# Altium PCB BMS_Slave-X+Y.PcbDoc (part 2 of 3)
Units mil, origin at the board's own origin, x right, y up, seen from the top; angles counter-clockwise.
Board outline 10980 x 2910 mil, 2 copper layers (Top Layer, Bottom Layer); 344 components, 227 nets, 912 pads, 532 vias.
Unrouted connection lines stored in the file: 1.
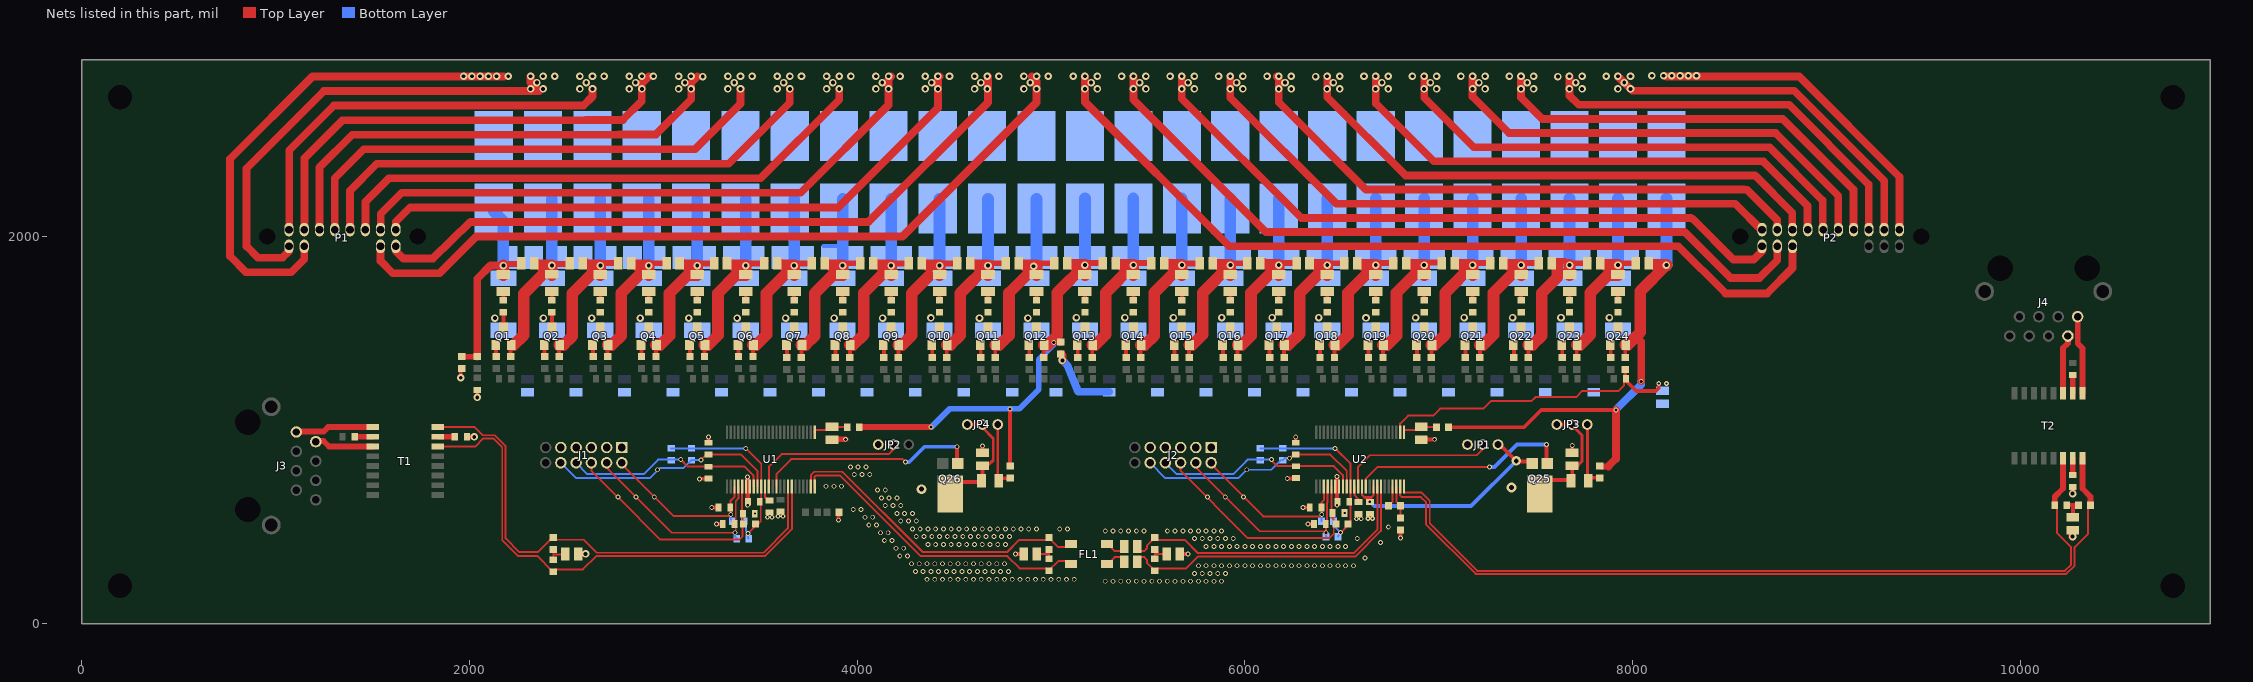
[diagram p2: the nets of this part, all layers, seen from the top]

## Via types
v1: diameter 25, hole 16, Top Layer to Bottom Layer, tented both sides, 246 vias
v2: diameter 39, hole 20, Top Layer to Bottom Layer, tented both sides, 183 vias
v3: diameter 25, hole 12, Top Layer to Bottom Layer, tented both sides, 62 vias
v4: diameter 39, hole 20, Top Layer to Bottom Layer, tented bottom, 25 vias
v5: diameter 25, hole 16, Top Layer to Bottom Layer, tented bottom, 12 vias
v6: diameter 50, hole 25, Top Layer to Bottom Layer, tented bottom, 4 vias

## Nets (pads, with @x,y where several pads share a name; then routed paths per layer and width w, separated by ;. In a path a pad name is that pad's centre, name@x,y a point inside that pad or via, vN(x,y) a via of type N, cw(c..) or ccw(c..) an arc to the next point about the centre after c; other vN are vias at no path point) (continued)
C24: C48.1 C101.1 R49.1 U2.2 | length 1599.1
  Top Layer w10: U2.2@6801.1,988.43 6801.1,1032.91 6842.64,1074.45 6970.72,1074.45 7006.99,1110.72 7230.72,1110.72 7270,1150 7479.38,1150 7499.38,1170 7709.8,1170 7741.3,1201.5 7927.92,1201.5 7955,1228.57 7955,1256.26 C101.1@7962.4,1263.66
  Top Layer w20: R49.1@7962.4,1314.16 7962.4,1263.66 7962.4,1258.16 8019.07,1201.5 8119.5,1201.5 8135,1217 v3(8135,1240)
  other v3: 8175,1240
CELL0: C1.2 D1.2 D48.1 F1.2 R1.2 R50.2 R76.2 | length 1104
  Top Layer w30: R50.2@1960,1377.81 1960.35,1378.16 R1.2@2040,1378.16 ; v2(2175,1848.66) 2195,1848.66 2203.6,1857.26 2255.6,1857.26 C1.2@2272,1873.66
  Top Layer w40: R1.2@2040,1378.16 2040,1780 2108.66,1848.66 v2(2175,1848.66)
  Top Layer w60: D48.1@2175,1798.03 v2(2175,1848.66)
  Bottom Layer w60: F1.2@2125,2128.54 2175,2078.54 v2(2175,1848.66)
CELL1: C1.1 C2.2 D1.1 D2.2 D47.1 F2.2 Q1.2 R3.2 R77.2 | length 1176.8
  Top Layer w20: R3.2@2212.4,1378.16 Q1.2@2212.4,1438.39
  Top Layer w30: C1.1@2328,1873.66 2343.82,1873.66 2368.82,1848.66 ; v2@2425,1848.66 2427.44,1848.66 2436.03,1857.26 2505.6,1857.26 C2.2@2522,1873.66
  Top Layer w40: Q1.2@2212.4,1438.39 Q1.2@2228.72,1438.39 ; D47.1@2425,1798.19 D47.1@2425.16,1798.03
  Top Layer w60: Q1.2@2228.72,1438.39 2279,1488.66 2279,1702.66 v2@2425,1848.66 ; 2368.82,1848.66 v2@2425,1848.66 ; D47.1@2425,1798.19 v2@2425,1848.66
  Bottom Layer w60: D2.2@2425,1848.66 F2.2@2425,2191.97
  other v2: 2425.24,1848.9
CELL2: C2.1 C3.2 D2.1 D3.2 D46.1 F3.2 Q2.2 R5.2 R78.2 | length 1180.3
  Top Layer w20: R5.2@2462.64,1378.4 2462.64,1438.39 Q2.2@2462.64,1438.62
  Top Layer w30: C2.1@2578,1873.66 2600,1873.66 2625,1848.66 ; v2(2675,1848.66) 2677.44,1848.66 2690.47,1861.7 2760.04,1861.7 C3.2@2772,1873.66
  Top Layer w60: Q2.2@2462.4,1438.39 2462.64,1438.39 2484.72,1438.39 2531,1484.66 2531,1704.66 v2(2675,1848.66) ; 2625,1848.66 v2(2675,1848.66) ; D46.1@2675,1798.03 v2(2675,1848.66)
  Bottom Layer w60: v2(2675,1848.66) F3.2@2675,2191.97
CELL3: C3.1 C4.2 D3.1 D4.2 D45.1 F4.2 Q3.2 R7.2 R79.2 | length 1187.4
  Top Layer w20: R7.2@2712.4,1378.16 Q3.2@2712.4,1438.39
  Top Layer w30: C3.1@2828,1873.66 2840,1873.66 2865,1848.66 ; v2(2925,1848.66) 2927.44,1848.66 2938.77,1860 3008.34,1860 C4.2@3022,1873.66
  Top Layer w60: Q3.2@2712.4,1438.39 2734.85,1438.39 2783,1486.53 2783,1706.66 v2(2925,1848.66) ; 2865,1848.66 v2(2925,1848.66) ; D45.1@2925,1798.03 v2(2925,1848.66)
  Bottom Layer w20: D4.2@2925,1948.66 2920,1948.66 2925,1953.66
  Bottom Layer w60: v2(2925,1848.66) D4.2@2925,1948.66 ; 2925,1953.66 F4.2@2925,2191.97
CELL4: C4.1 C5.2 D4.1 D5.2 D44.1 F5.2 Q4.2 R9.2 R80.2 | length 1154.4
  Top Layer w20: R9.2@2962.4,1378.16 Q4.2@2962.4,1438.39
  Top Layer w30: C4.1@3078,1873.66 3095,1873.66 3120,1848.66 ; v2(3175,1848.66) 3177.44,1848.66 3188.69,1859.91 3253.25,1859.91 C5.2@3267,1873.66
  Top Layer w60: Q4.2@2962.4,1438.39 2984.85,1438.39 3032,1485.53 3032,1705.66 3124.37,1798.03 3175,1798.03 v2(3175,1848.66) 3120,1848.66
  Bottom Layer w60: v2(3175,1848.66) F5.2@3175,2191.97
CELL5: C5.1 C6.2 D5.1 D6.2 D43.1 F6.2 Q5.2 R11.2 R81.2 | length 1167.6
  Top Layer w20: R11.2@3212.4,1378.16 Q5.2@3212.4,1438.39
  Top Layer w30: C5.1@3323,1873.66 3339.06,1873.66 3364.06,1848.66 ; v2(3425,1848.66) 3427.44,1848.66 3438.69,1859.91 3513.25,1859.91 C6.2@3527,1873.66
  Top Layer w60: Q5.2@3212.4,1438.39 3231.85,1438.39 3282,1488.53 3282,1705.66 3374.37,1798.03 3425,1798.03 v2(3425,1848.66) 3364.06,1848.66
  Bottom Layer w60: v2(3425,1848.66) F6.2@3425,2191.97
CELL6: C6.1 C7.2 D6.1 D7.2 D42.1 F7.2 Q6.2 R13.2 R82.2 | length 1103.3
  Top Layer w20: R13.2@3462.4,1378.16 Q6.2@3462.4,1438.39
  Top Layer w30: C6.1@3583,1873.66 3600,1873.66 3625,1848.66 ; v2@3677.44,1848.66 3688.69,1859.91 3758.25,1859.91 C7.2@3772,1873.66
  Top Layer w60: Q6.2@3462.4,1438.39 3478.72,1438.39 3532,1491.66 3532,1705.66 3630,1803.66 ; 3625,1848.66 v2@3672.56,1848.66 ; D42.1@3675,1798.03 v2(3675,1848.66)
  Bottom Layer w60: v2(3675,1848.66) F7.2@3675,2191.97
CELL7: C7.1 C8.2 D7.1 D8.2 D41.1 F8.2 Q7.2 R15.2 R83.2 | length 1264
  Top Layer w20: R15.2@3712.4,1373.16 Q7.2@3712.4,1438.39
  Top Layer w30: C7.1@3828,1873.66 3840,1873.66 3865,1848.66 ; v2(3925,1848.66) 3927.44,1848.66 3938.77,1860 4008.34,1860 C8.2@4022,1873.66
  Top Layer w60: Q7.2@3712.4,1438.39 3733.72,1438.39 3782,1486.66 3782,1705.66 3874.37,1798.03 3925,1798.03 v2(3925,1848.66) 3865,1848.66
  Bottom Layer w20: D7.1@3824.69,1948.66 3925,1948.66
  Bottom Layer w60: v2(3925,1848.66) 3925,1948.66 F8.2@3925,2191.97
CELL8: C8.1 C9.2 D8.1 D9.2 D40.1 F9.2 Q8.2 R17.2 R84.2 | length 1110.1
  Top Layer w20: R17.2@3962.4,1373.16 Q8.2@3962.4,1438.39
  Top Layer w30: C8.1@4078,1873.66 4095,1873.66 4120,1848.66 ; v2(4175,1848.66) 4177.44,1848.66 4188.69,1859.91 4258.25,1859.91 C9.2@4272,1873.66
  Top Layer w60: Q8.2@3962.4,1438.39 3979.85,1438.39 4033,1491.53 4033,1706.66 4123.82,1797.48 ; 4120,1848.66 v2(4175,1848.66) D40.1@4175,1798.03
  Bottom Layer w60: v2(4175,1848.66) F9.2@4175,2191.97
CELL9: C9.1 C10.2 D9.1 D10.2 D39.1 F10.2 Q9.2 R19.2 R85.2 | length 1105.7
  Top Layer w20: R19.2@4212.4,1373.16 Q9.2@4212.4,1438.39
  Top Layer w30: C9.1@4328,1873.66 4340,1873.66 4365,1848.66 ; v2(4425,1848.66) 4427.44,1848.66 4438.69,1859.91 4508.25,1859.91 C10.2@4522,1873.66
  Top Layer w60: Q9.2@4212.4,1438.39 4231.72,1438.39 4282,1488.66 4282,1705.66 4370,1793.66 ; 4365,1848.66 v2(4425,1848.66) D39.1@4425,1798.03
  Bottom Layer w60: v2(4425,1848.66) F10.2@4425,2191.97
CELL10: C10.1 C11.2 D10.1 D11.2 D38.1 F11.2 Q10.2 R21.2 R86.2 | length 1183.5
  Top Layer w20: R21.2@4462.4,1373.16 Q10.2@4462.4,1438.39
  Top Layer w30: C10.1@4578,1873.66 4595,1873.66 4620,1848.66 ; v2(4675,1848.66) 4677.44,1848.66 4688.77,1860 4758.34,1860 C11.2@4772,1873.66
  Top Layer w60: Q10.2@4462.4,1438.39 4481.72,1438.39 4532,1488.66 4532,1705.66 v2(4675,1848.66) ; 4620,1848.66 v2(4675,1848.66) ; D38.1@4675,1798.03 v2(4675,1848.66)
  Bottom Layer w60: v2(4675,1848.66) F11.2@4675,2191.97
CELL11: C11.1 C12.2 D11.1 D12.2 D37.1 F12.2 Q11.2 R23.2 R87.2 | length 1184.7
  Top Layer w20: R23.2@4712.4,1373.16 Q11.2@4712.4,1438.39
  Top Layer w30: C11.1@4828,1873.66 4840,1873.66 4865,1848.66 ; v2@4925,1848.66 4927.44,1848.66 4938.77,1860 5008.34,1860 C12.2@5022,1873.66
  Top Layer w60: Q11.2@4712.4,1438.39 4733.72,1438.39 4783,1487.66 4783,1706.66 v2@4925,1848.66 ; 4865,1848.66 v2@4925,1848.66 ; D37.1@4925,1798.03 v2@4925,1848.66
  Bottom Layer w60: v2@4925,1848.66 F12.2@4925,2191.97
  other v2: 4910,1845
CELL12: C12.1 C13.2 D12.1 D13.2 D36.1 F13.2 Q12.2 R25.2 R63.2 R88.2 R101.2 R122.2 | length 2807.2
  Top Layer w20: v1(4788,1109) 4788,815.16 R122.2@4790,813.16 ; R25.2@4962.4,1373.16 R25.2@4962.4,1374.66 Q12.2@4962.4,1438.39
  Top Layer w30: R101.2@4009.27,1014.67 4009.75,1015.16 4009.91,1015 v1(4380,1015) ; C12.1@5078,1873.66 5095,1873.66 5117.5,1851.16 ; v2(5175,1851.16) 5177.44,1851.16 5188.69,1862.41 5260.75,1862.41 C13.2@5272,1873.66
  Top Layer w40: 5023.33,1478.33 5048.5,1453.16 R63.2@5050,1453.16
  Top Layer w60: Q12.2@4962.4,1438.39 Q12.2@4964.9,1438.39 4983.39,1438.39 5023.33,1478.33 5033,1488 5033,1709.16 v2(5175,1851.16) ; 5117.5,1851.16 v2(5175,1851.16) ; D36.1@5175,1798.03 v2(5175,1851.16)
  Bottom Layer w30: v1(4380,1015) 4382.34,1015 4477,1109.66 v1@4790,1109.66 ; v1(4788,1109) 4788.66,1109 4789,1108.66 v1@4790,1109.66 ; v1(5014,1452) 5014,1441 4937,1364 4937,1208.66 4838,1109.66 v1@4790,1109.66
  Bottom Layer w60: v2(5175,1851.16) F13.2@5175,2142.98 F13.2@5175,2194.47
CELL13: C13.1 C14.2 D13.1 D14.2 D35.1 F14.2 Q13.2 R27.2 R89.2 | length 1184.7
  Top Layer w20: R27.2@5212.4,1373.16 Q13.2@5212.4,1438.39
  Top Layer w30: C13.1@5328,1873.66 5340,1873.66 5362.5,1851.16 ; v2(5425,1851.16) 5427.44,1851.16 5437.97,1861.7 5510.04,1861.7 C14.2@5522,1873.66
  Top Layer w60: Q13.2@5212.4,1438.39 5228.72,1438.39 5283,1492.66 5283,1709.16 v2(5425,1851.16) ; 5362.5,1851.16 v2(5425,1851.16) ; D35.1@5425,1798.03 v2(5425,1851.16)
  Bottom Layer w60: v2(5425,1851.16) 5425,2128.54 F14.2@5425,2194.47
CELL14: C14.1 C15.2 D14.1 D15.2 D34.1 F15.2 Q14.2 R29.2 R90.2 | length 1187.6
  Top Layer w20: R29.2@5462.4,1373.16 Q14.2@5462.4,1438.39
  Top Layer w30: C14.1@5578,1873.66 5595,1873.66 5617.5,1851.16 ; v2(5675,1851.16) 5677.44,1851.16 5686.19,1859.91 5758.25,1859.91 C15.2@5772,1873.66
  Top Layer w60: Q14.2@5462.4,1438.39 5483.72,1438.39 5532,1486.66 5532,1708.16 v2(5675,1851.16) ; 5617.5,1851.16 v2(5675,1851.16) ; D34.1@5675,1798.03 v2(5675,1851.16)
  Bottom Layer w60: v2(5675,1851.16) 5675,2128.54 F15.2@5675,2194.47
CELL15: C15.1 C16.2 D15.1 D16.2 D33.1 F16.2 Q15.2 R31.2 R91.2 | length 1179.7
  Top Layer w20: R31.2@5712.4,1373.16 Q15.2@5712.4,1438.39
  Top Layer w30: C15.1@5828,1873.66 5845,1873.66 5867.5,1851.16 ; v2(5925,1851.16) 5927.44,1851.16 5936.27,1860 6003.34,1860 C16.2@6017,1873.66
  Top Layer w60: Q15.2@5712.4,1438.39 5728.72,1438.39 5783,1492.66 5783,1709.16 v2(5925,1851.16) ; 5867.5,1851.16 v2(5925,1851.16) ; D33.1@5925,1798.03 v2(5925,1851.16)
  Bottom Layer w60: v2(5925,1851.16) 5925,2128.54 F16.2@5925,2194.47
CELL16: C16.1 C17.2 D16.1 D17.2 D32.1 F17.2 Q16.2 R33.2 R92.2 | length 1192.6
  Top Layer w20: R33.2@5962.4,1373.16 Q16.2@5962.4,1438.39
  Top Layer w30: C16.1@6073,1873.66 6098.82,1873.66 6121.32,1851.16 ; v2(6175,1851.16) 6177.44,1851.16 6187.97,1861.7 6260.04,1861.7 C17.2@6272,1873.66
  Top Layer w60: Q16.2@5962.4,1438.39 5983.72,1438.39 6032,1486.66 6032,1708.16 v2(6175,1851.16) ; 6121.32,1851.16 v2(6175,1851.16) ; D32.1@6175,1798.03 v2(6175,1851.16)
  Bottom Layer w60: v2(6175,1851.16) 6175,2128.54 F17.2@6175,2194.47
CELL17: C17.1 C18.2 D17.1 D18.2 D31.1 F18.2 Q17.2 R35.2 R93.2 | length 1151.5
  Top Layer w20: R35.2@6202.4,1373.16 Q17.2@6202.4,1438.39
  Top Layer w30: C17.1@6328,1873.66 6345.91,1873.66 6368.41,1851.16 ; v2(6425,1851.16) 6427.44,1851.16 6436.27,1860 6505.7,1860 C18.2@6519.36,1873.66
  Top Layer w60: Q17.2@6202.4,1438.39 6223.72,1438.39 6283,1497.66 6283,1709.16 D31.1@6398.36,1824.52 ; 6368.41,1851.16 v2(6425,1851.16) 6425,1798.19 D31.1@6424.84,1798.03
  Bottom Layer w60: v2(6425,1851.16) 6425,2128.54 F18.2@6425,2194.47
CELL18: C18.1 C19.2 D18.1 D19.2 D30.1 F19.2 Q18.2 R37.2 R94.2 | length 1187.9
  Top Layer w20: R37.2@6462.4,1373.16 Q18.2@6462.4,1438.39
  Top Layer w30: C18.1@6575.36,1873.66 6585,1873.66 6607.5,1851.16 ; v2(6675,1851.16) 6677.44,1851.16 6687.97,1861.7 6760.04,1861.7 C19.2@6772,1873.66
  Top Layer w60: Q18.2@6462.4,1438.39 6479.72,1438.39 6532,1490.66 6532,1708.16 v2(6675,1851.16) ; 6607.5,1851.16 v2(6675,1851.16) ; D30.1@6675,1798.03 v2(6675,1851.16)
  Bottom Layer w60: v2(6675,1851.16) 6675,2128.54 F19.2@6675,2194.47
CELL19: C19.1 C20.2 D19.1 D20.2 D29.1 F20.2 Q19.2 R39.2 R95.2 | length 1187.6
  Top Layer w20: R39.2@6712.4,1373.16 Q19.2@6712.4,1438.39
  Top Layer w30: C19.1@6828,1873.66 6845,1873.66 6867.5,1851.16 ; v2(6925,1851.16) 6927.44,1851.16 6941.27,1865 7013.34,1865 C20.2@7022,1873.66
  Top Layer w60: Q19.2@6712.4,1438.39 6733.72,1438.39 6782,1486.66 6782,1708.16 v2(6925,1851.16) ; 6867.5,1851.16 v2(6925,1851.16) ; D29.1@6925,1798.03 v2(6925,1851.16)
  Bottom Layer w60: v2(6925,1851.16) 6925,2128.54 F20.2@6925,2194.47
CELL20: C20.1 C21.2 D20.1 D21.2 D28.1 F21.2 Q20.2 R41.2 R96.2 | length 1185.3
  Top Layer w20: R41.2@6962.4,1373.16 Q20.2@6962.4,1438.39
  Top Layer w30: C20.1@7078,1873.66 7091.34,1873.66 7113.84,1851.16 ; v2(7175,1851.16) 7177.44,1851.16 7187.97,1861.7 7260.04,1861.7 C21.2@7272,1873.66
  Top Layer w60: Q20.2@6962.4,1438.39 6979.72,1438.39 7033,1491.66 7033,1709.16 v2(7175,1851.16) ; 7113.84,1851.16 v2(7175,1851.16) ; D28.1@7175,1798.03 v2(7175,1851.16)
  Bottom Layer w60: v2(7175,1851.16) 7175,2128.54 F21.2@7175,2194.47
CELL21: C21.1 C22.2 D21.1 D22.2 D27.1 F22.2 Q21.2 R43.2 R97.2 | length 1185.3
  Top Layer w20: R43.2@7212.4,1373.16 Q21.2@7212.4,1438.39
  Top Layer w30: C21.1@7328,1873.66 7340,1873.66 7362.5,1851.16 ; v2(7425,1851.16) 7427.44,1851.16 7437.97,1861.7 7510.04,1861.7 C22.2@7522,1873.66
  Top Layer w60: Q21.2@7212.4,1438.39 7229.72,1438.39 7283,1491.66 7283,1709.16 v2(7425,1851.16) ; 7362.5,1851.16 v2(7425,1851.16) ; D27.1@7425,1798.03 v2(7425,1851.16)
  Bottom Layer w60: v2(7425,1851.16) 7425,2128.54 F22.2@7425,2194.47
CELL22: C22.1 C23.2 D22.1 D23.2 D26.1 F23.2 Q22.2 R45.2 R98.2 | length 1161.1
  Top Layer w20: R45.2@7462.4,1373.16 Q22.2@7462.4,1438.39
  Top Layer w30: C22.1@7578,1873.66 7650.06,1873.66 7672.56,1851.16 v2(7675,1851.16) 7677.44,1851.16 7686.27,1860 7758.34,1860 C23.2@7772,1873.66
  Top Layer w60: Q22.2@7462.4,1438.39 7483.72,1438.39 7531,1485.66 7531,1707.16 7610.91,1787.07 7610.91,1851.16 ; D26.1@7675,1798.03 v2(7675,1851.16)
  Bottom Layer w60: v2(7675,1851.16) 7675,2128.54 F23.2@7675,2194.47
CELL23: C23.1 C24.2 D23.1 D24.2 D25.1 F24.2 Q23.2 R47.2 R99.2 | length 1163.3
  Top Layer w20: R47.2@7712.4,1373.16 Q23.2@7712.4,1438.39
  Top Layer w30: C23.1@7828,1873.66 7837.5,1873.66 7860,1851.16 ; v2(7925,1851.16) 7927.44,1851.16 7936.27,1860 8008.34,1860 C24.2@8022,1873.66
  Top Layer w60: Q23.2@7712.4,1438.39 7729.72,1438.39 7782,1490.66 7782,1708.16 7871.87,1798.03 7925,1798.03 v2(7925,1851.16) 7860,1851.16
  Bottom Layer w60: v2(7925,1851.16) 7925,2128.54 F24.2@7925,2194.47
CELL24: C24.1 D24.1 F25.2 Q24.2 R49.2 R100.2 R121.2 | length 2713.1
  Top Layer w20: R100.2@7049.58,1014.67 R100.2@7051.08,1014.67 7439.67,1014.67 7529,1104 v1(7914,1104) ; R49.2@7962.4,1373.16 R49.2@7962.4,1374.66 Q24.2@7962.4,1438.39
  Top Layer w30: R121.2@7842.84,812.37 7875.37,812.37 ; C24.1@8078,1873.66 8095,1873.66 8117.5,1851.16
  Top Layer w40: 7875.37,812.37 7914,851 v1(7914,1104) ; 8023.34,1475.66 8045,1454 v1(8045,1251.38)
  Top Layer w60: Q24.2@7962.4,1438.39 Q24.2@7964.9,1438.39 7974.72,1438.39 8020,1483.66 ; 8023.34,1475.66 8023.34,1487 8040,1503.66 8040,1716.16 v2(8175,1851.16) 8117.5,1851.16
  Bottom Layer w20: 8170,1948.66 8175,1953.66
  Bottom Layer w40: v1(7914,1104) 8045,1235 v1(8045,1251.38)
  Bottom Layer w60: v2(8175,1851.16) 8175,1953.66 F25.2@8175,2142.98 F25.2@8175,2194.47
CELL_UF_0: F1.1 P1.3 | length 2599.1
  Top Layer w40: P1.3@1147.52,1947.48 1147.52,1881.18 1080.37,1814.03 847.3,1814.03 765,1896.34 765,2398.66 1190,2823.66 2097.5,2823.66 2175,2823.66
  other v2: 1970,2825 2012.5,2825 2055,2825 2097.5,2825 2140,2825
  other v4: 2200,2825
CELL_UF_1: F2.1 P1.4 | length 2453.9
  Top Layer w40: P1.4@1068.78,1947.48 1068.78,1922.44 1035,1888.66 908.82,1888.66 850,1947.48 850,2349.88 1248.78,2748.66 2359.4,2748.66 2315,2793.06 v2(2315,2825)
  other v2: 2315,2760 2380,2760 2347.5,2792.5 2380,2825
  other v4: 2440,2825
CELL_UF_2: F3.1 P1.12 | length 2129.6
  Top Layer w40: P1.12@1068.78,2034.09 1070.16,2034.09 1070.16,2443.82 1300,2673.66 2587.73,2673.66 2634.55,2720.47 v2(2634.55,2760)
  other v2: 2569.55,2760 2602.05,2792.5 2569.55,2825 2634.55,2825
  other v4: 2694.55,2825
CELL_UF_3: F4.1 P1.11 | length 2373.2
  Top Layer w40: P1.11@1147.52,2034.09 1148.9,2034.09 1148.9,2402.56 1345,2598.66 2598.66,2598.66 2600,2600 2791.59,2600 2888.86,2697.27 2888.86,2787.52 2925,2823.66
  other v2: 2824.09,2760 2889.09,2760 2856.59,2792.5 2824.09,2825 2889.09,2825
  other v4: 2949.09,2825
CELL_UF_4: F5.1 P1.10 | length 2514.2
  Top Layer w40: P1.10@1226.26,2034.09 1226.26,2354.92 1395,2523.66 2768.66,2523.66 2770,2525 2962.48,2525 3143.41,2705.93 3143.41,2792.07 3175,2823.66
  other v2: 3078.64,2760 3143.64,2760 3111.14,2792.5 3078.64,2825 3143.64,2825
  other v4: 3203.41,2823.66
CELL_UF_5: F6.1 P1.9 | length 2593.8
  Top Layer w40: P1.9@1305,2034.09 1305,2298.66 1455,2448.66 3163.66,2448.66 3398.18,2683.18 v2(3398.18,2760)
  other v2: 3333.18,2760 3365.68,2792.5 3333.18,2825 3398.18,2825
  other v4: 3458.18,2825
CELL_UF_6: F7.1 P1.8 | length 2728.9
  Top Layer w40: P1.8@1383.74,2034.09 1383.74,2234.92 1522.48,2373.66 3337.4,2373.66 3652.73,2688.99 v2(3652.73,2760)
  other v2: 3587.73,2760 3620.23,2792.5 3587.73,2825 3652.73,2825
  other v4: 3712.73,2825
CELL_UF_7: F8.1 P1.7 | length 2861.9
  Top Layer w40: P1.7@1462.48,2034.09 1463.86,2034.09 1463.86,2177.52 1585,2298.66 3501.26,2298.66 3907.27,2704.67 v2(3907.27,2760)
  other v2: 3842.27,2760 3874.77,2792.5 3842.27,2825 3907.27,2825
  other v4: 3967.27,2825
CELL_UF_8: F9.1 P1.6 | length 3085.9
  Top Layer w40: P1.6@1542.6,2034.09 1542.6,2116.3 1649.96,2223.66 3708.66,2223.66 4161.59,2676.59 4161.59,2810.25 v2@4175,2823.66
  other v2: 4096.82,2760 4161.82,2760 4129.32,2792.5 4096.82,2825 4161.82,2825
  other v4: 4221.82,2825
CELL_UF_9: F10.1 P1.5 | length 3245.3
  Top Layer w40: P1.5@1619.96,2034.09 1619.96,2073.62 1695,2148.66 3903.66,2148.66 4416.36,2661.36 v2(4416.36,2760) 4416.36,2815.02 v2@4425,2823.66
  other v2: 4351.36,2760 4383.86,2792.5 4351.36,2825 4416.36,2825
  other v4: 4476.36,2825
CELL_UF_10: F11.1 P1.1 | length 3560.4
  Top Layer w40: P1.1@1619.96,1947.48 1619.96,1923.7 1658.56,1885.1 1811.44,1885.1 2005,2073.66 4058.66,2073.66 4675,2690 v2@4675,2823.66
  other v2: 4605.91,2760 4670.91,2760 4638.41,2792.5 4605.91,2825 4670.91,2825
  other v4: 4730.91,2825
CELL_UF_11: F12.1 P1.2 | length 3994.3
  Top Layer w40: P1.2@1541.22,1947.48 1541.22,1872.44 1605,1808.66 1845,1808.66 2035,1998.66 4233.66,1998.66 4925,2690 4925,2798.66 4900,2823.66
  other v2: 4860.45,2760 4925.45,2760 4892.95,2792.5 4860.45,2825 4925.45,2825
  other v4: 4985.45,2825
CELL_UF_12: F13.1 P2.4 | length 4356.5
  Top Layer w40: v2@5175,2823.66 5175,2692.48 5918.82,1948.66 8236.34,1948.66 8480,1705 8694.55,1705 8825.43,1835.88 P2.4@8825.43,1947.48
  other v2: 5174.55,2760 5239.55,2760 5207.05,2792.5 5174.55,2825 5239.55,2825
  other v4: 5114.55,2825
CELL_UF_13: F14.1 P2.5 | length 3930.2
  Top Layer w40: v2@5425,2823.66 5425,2705 6108.42,2021.58 8268.42,2021.58 8505,1785 8655,1785 8746.69,1876.69 P2.5@8746.69,1947.48
  other v2: 5424.55,2760 5489.55,2760 5457.05,2792.5 5424.55,2825 5489.55,2825
  other v4: 5364.55,2825
CELL_UF_14: F15.1 P2.6 | length 3492.7
  Top Layer w40: v2@5675,2823.66 5675,2710 6290.51,2094.49 8300.51,2094.49 8305,2090 8310,2090 8520,1880 8625,1880 8667.95,1922.95 P2.6@8667.95,1947.48
  other v2: 5674.55,2760 5739.55,2760 5707.05,2792.5 5674.55,2825 5739.55,2825
  other v4: 5614.55,2825
CELL_UF_15: F16.1 P2.16 | length 3135.7
  Top Layer w40: v2@5925,2823.66 5925,2715 6472.59,2167.41 8529.64,2167.41 P2.16@8667.95,2029.09
  other v2: 5924.55,2760 5989.55,2760 5957.05,2792.5 5924.55,2825 5989.55,2825
  other v4: 5864.55,2825
CELL_UF_16: F17.1 P2.15 | length 3015.2
  Top Layer w40: v2@6165,2823.66 6174.55,2814.12 v2(6174.55,2760) 6174.55,2690.45 6624.67,2240.33 8574.67,2240.33 8575,2240 8590.31,2240 8746.69,2083.62 P2.15@8746.69,2034.09 P2.15@8746.69,2029.09
  other v2: 6239.55,2760 6207.05,2792.5 6174.55,2825 6239.55,2825
  other v4: 6114.55,2825
CELL_UF_17: F18.1 P2.14 | length 2844.9
  Top Layer w40: v2@6425,2823.66 6425,2717.5 6829.26,2313.24 8632.07,2313.24 8824.05,2121.26 8824.05,2030.47 P2.14@8825.43,2029.09
  other v2: 6424.55,2760 6489.55,2760 6457.05,2792.5 6424.55,2825 6489.55,2825
  other v4: 6365,2823.66
CELL_UF_18: F19.1 P2.13 | length 2714.7
  Top Layer w40: v2@6675,2823.66 6675,2685 6973.84,2386.16 8668.84,2386.16 8670,2385 8675.31,2385 8902.79,2157.52 8902.79,2029.09 P2.13@8904.17,2029.09
  other v2: 6674.55,2760 6739.55,2760 6707.05,2792.5 6674.55,2825 6739.55,2825
  other v4: 6614.55,2825
CELL_UF_19: F20.1 P2.12 | length 2540.5
  Top Layer w40: v2@6925,2823.66 6925,2715 7180.92,2459.08 8706.24,2459.08 8981.53,2183.78 8981.53,2030.47 P2.12@8982.91,2029.09
  other v2: 6924.55,2760 6989.55,2760 6957.05,2792.5 6924.55,2825 6989.55,2825
  other v4: 6864.55,2825
CELL_UF_20: F21.1 P2.11 | length 2381.7
  Top Layer w40: v2@7175,2823.66 7175,2720 7363.01,2531.99 8738.32,2531.99 9061.65,2208.66 P2.11@9061.65,2034.09 P2.11@9061.65,2029.09
  other v2: 7174.55,2760 7239.55,2760 7207.05,2792.5 7174.55,2825 7239.55,2825
  other v4: 7114.55,2825
CELL_UF_21: F22.1 P2.10 | length 2231.7
  Top Layer w40: v2@7425,2823.66 7425,2715 7535.09,2604.91 8775.4,2604.91 9139.28,2241.03 9139.28,2030.21 P2.10@9140.39,2029.09
  other v2: 7424.55,2760 7489.55,2760 7457.05,2792.5 7424.55,2825 7489.55,2825
  other v4: 7364.55,2825
CELL_UF_22: F23.1 P2.9 | length 2069.9
  Top Layer w40: v2@7675,2823.66 7675,2725 7722.17,2677.83 8807.17,2677.83 8810,2675 8810.31,2675 9219.13,2266.18 P2.9@9219.13,2034.09 P2.9@9219.13,2029.09
  other v2: 7674.55,2760 7739.55,2760 7707.05,2792.5 7674.55,2825 7739.55,2825
  other v4: 7615,2823.66
CELL_UF_23: F24.1 P2.8 | length 1852.7
  Top Layer w40: v2@7925,2823.66 7997.92,2750.74 8833.56,2750.74 9297.87,2286.44 P2.8@9297.87,2034.09 P2.8@9297.87,2029.09
  other v2: 7924.55,2760 7989.55,2760 7957.05,2792.5 7924.55,2825 7989.55,2825
  other v4: 7864.55,2825
CELL_UF_24: F25.1 P2.7 | length 1688.3
  Top Layer w40: v2@8175,2823.66 8859.64,2823.66 9376.61,2306.69 P2.7@9376.61,2034.09
  other v2: 8160,2828 8202.5,2828 8245,2828 8287.5,2828 8330,2828
  other v4: 8100,2828
GNDA: C25.2 C26.2 C27.2 C28.2 C29.2 C30.2 C31.2 C32.2 C33.2 C34.2 C35.2 C36.2 C51.2 C53.2 C55.2 C57.2 C59.2 C61.2 C63.2 C65.2 C66.2 C68.2 C70.2 C74.2 C76.2 C77.2 J1.1 J1.3 J1.5 J1.7 J1.9 JP2.3 R50.1 R118.2 U1.30 U1.31 | length 648.8
  Top Layer w10: U1.30@3426.46,708.9 U1.30@3426.57,709.02 ; v1(3435,757.76) 3435,753.97 v1@3435.68,753.29 ; U1.31@3445.24,709.8 U1.31@3446.14,708.9
  Top Layer w20: v2(1955,1270) 1955,1313.81 R50.1@1960,1318.81 ; v2(2040,1168.84) C77.2@2040,1210.48 ; v1(3187,747.52) 3187.96,748.48 3231.04,748.48 C55.2@3231.51,748.01 ; C55.2@3232,749.5 C55.2@3233,748.5 ; C53.2@3233,935.65 v1(3233,964) ; v1(3250,600) C61.2@3283.5,600 ; v1(3275,515) C59.2@3305.68,515 ; C57.2@3472.4,568.76 v3(3472.71,569.07) ; C66.2@3546.77,573.87 3547.4,574.5 C66.2@3548,574.5 ; C68.2@3603.62,577.87 3604.25,578.5 C68.2@3604.33,578.5 ; v1(3904.5,535) R118.2@3904.5,575 ; C70.2@4646.52,880.16 v1(4646.52,918.66) ; v1(4816,361) C65.2@4860.5,361
  Top Layer w25: C76.2@1986.5,965 v2(2024.64,965) ; C74.2@2561,361 v2(2599.14,361) ; v3(3435,612.79) C63.2@3435,630.66 ; C63.2@3435.68,631.34 v1@3435.68,753.29
  Top Layer w30: C51.2@3870,952.17 v1(3939,952.17)
  other v1: 4360,230 4400,230 4440,230 4480,230 4520,230 4560,230 4600,230 4640,230 4680,230 4720,230 4760,230 4800,230 4840,230 4880,230 4920,230 4960,230 5000,230 5040,230 5080,230 5120,230 4300,270 4340,270 4380,270 4420,270 4460,270 4500,270 4540,270 4580,270 4620,270 4660,270 4700,270 4740,270 4780,270 4280,310 4320,310 4360,310 4400,310 4440,310 4480,310 4520,310 4560,310 4600,310 4640,310 4680,310 4720,310 4760,310 4220,350 4260,350 4200,390 4240,390 4365,410 4405,410 4445,410 4485,410 4525,410 4565,410 4605,410 4645,410 4685,410 4725,410 4765,410 4140,430 4180,430 4305,450 4345,450 4385,450 4425,450 4465,450 4505,450 4545,450 4585,450 4625,450 4665,450 4705,450 4745,450 4785,450 4120,470 4160,470 4285,490 4325,490 4365,490 4405,490 4445,490 4485,490 4525,490 4565,490 4605,490 4645,490 4685,490 4725,490 4765,490 4805,490 4845,490 4885,490 4925,490 5045,490 5085,490 4060,510 4100,510 4225,530 4265,530 4305,530 4040,550 4080,550 4205,570 4245,570 4285,570 3980,590 4020,590 4145,610 4185,610 4225,610 4125,650 4165,650 4205,650 4105,690 4145,690 3840,710 3880,710 3920,710 3985,770 4025,770 4065,770 3965,810 4005,810 4045,810
  other v3: 3537,550 3560.67,550 3592,555 3617,555
  other v6: 4331.96,695
GNDB: C37.2 C38.2 C39.2 C40.2 C41.2 C42.2 C43.2 C44.2 C45.2 C46.2 C47.2 C48.2 C49.2 C50.2 C52.2 C54.2 C56.2 C58.2 C60.2 C62.2 C64.2 C67.2 C69.2 C71.2 C75.2 J2.1 J2.3 J2.5 J2.7 J2.9 JP1.3 R63.1 R117.2 U2.30 U2.31 | length 925.4
  Top Layer w20: C71.2@5661.83,360 C71.2@5663.75,360 v1(5706.33,360) ; v1@6218.66,750.75 C54.2@6263.17,750.75 ; C52.2@6262.5,935.65 v1(6262.5,964) ; v1(6300,600) C60.2@6333.5,600 ; v1(6325,515) C58.2@6355.68,515 ; v1(6475,760) 6475,631.8 6476.14,630.66 6475.8,630.32 6475.8,612.45 v3(6475.46,612.11) ; C56.2@6514.5,564.13 v3(6514.5,572) ; v1(6803,443) R117.2@6803,484 ; C50.2@6910.32,952.17 v1(6979.31,952.17) ; C69.2@7688.88,891.06 v1(7688.88,920) ; v2(10270.5,672.29) v2@10270.77,672.53 ; C75.2@10270.77,705.18 C75.2@10271,705.42
  Top Layer w30: v2@10270.77,672.53 C75.2@10270.77,705.18
  Top Layer w40: R63.1@5050,1394.16 5059,1385.16 v2(5059,1359) ; v2(10270,450.38) 10270,483 C49.2@10270.5,483.5
  Bottom Layer w40: v2(5059,1359) 5085.73,1331.12 5103,1287.57 ; 5102.4,1287.36 5140.55,1197.17 C37.2@5300,1197.17
  other v1: 5280,220 5320,220 5360,220 5400,220 5440,220 5480,220 5520,220 5560,220 5600,220 5640,220 5680,220 5720,220 5760,220 5800,220 5840,220 5880,220 5740,260 5780,260 5820,260 5860,260 5900,260 5760,300 5800,300 5840,300 5880,300 5920,300 5960,300 6000,300 6040,300 6080,300 6120,300 6160,300 6200,300 6240,300 6280,300 6320,300 6360,300 6400,300 6440,300 6480,300 6520,300 6560,300 6620,340 5800,400 5840,400 5880,400 5920,400 5960,400 6000,400 6040,400 6080,400 6120,400 6160,400 6200,400 6240,400 6280,400 6320,400 6360,400 6400,400 6440,400 6480,400 6520,400 6700,420 5740,440 5780,440 5820,440 5860,440 5900,440 5940,440 6580,440 5280,480 5320,480 5360,480 5400,480 5440,480 5480,480 5600,480 5640,480 5680,480 5720,480 5760,480 5800,480 5840,480 5880,480 6740,500 6218.66,750.25
  other v3: 6576.23,542.63 6599.9,542.63 6635.23,543.63 6658.9,543.63
  other v6: 7375.96,703.74
IPA: R115.1 T1.14 U1.42 | length 2720.3
  Top Layer w10: T1.14@1836.52,915 2030,915 2072,957 2123,957 2169,911 2169,432 2250,351 2348.5,351 2430.5,269 R115.1@2432.01,269 2444,281 2585,281 2654,350 3524,350 3662.68,488.68 U1.42@3662.68,708.9
IPB: R125.2 T1.16 U1.41 | length 2685.7
  Top Layer w10: T1.16@1836.52,1015 2027,1015 2069,973 2129.63,973 2186,916.63 2186,441 2257,370 2351.14,370 2428.57,447.43 2442,434 2589,434 2656,367 3517,367 3642.99,492.99 U1.41@3642.99,708.9
ISO_SPI_BOTTOM_N: FL1.1 R120.1 U1.47 | length 1638.3
  Top Layer w10: U1.47@3761.1,708.9 3761.1,767.48 3778.49,784.87 3923.94,784.87 4338,370.81 4773.81,370.81 4836.5,433.5 4978.48,433.5 4989.48,444.5 5037.48,396.5 5085.5,396.5 5098.21,409.21 FL1.1@5106.43,409.21
ISO_SPI_BOTTOM_P: FL1.2 R119.1 U1.48 | length 1606.5
  Top Layer w10: U1.48@3780.79,708.9 3780.79,759.33 3786.65,765.19 3911.81,765.19 4327,350 4775,350 4838.5,286.5 4978.48,286.5 4989.48,275.5 5037.48,323.5 5085.5,323.5 5098.21,310.79 FL1.2@5106.43,310.79
ISO_SPI_MED_N: C73.2 FL1.4 | length 123.1
  Top Layer w10: FL1.4@5285.57,409.21 5294.43,409.21 5328.36,375.28 5364.43,375.28 5379.5,390.35 C73.2@5379.5,399.21
ISO_SPI_MED_P: C72.2 FL1.3 | length 123.1
  Top Layer w10: FL1.3@5285.57,310.79 5294.43,310.79 5328.36,344.72 5364.43,344.72 5370.51,338.64 5370.51,329.79 C72.2@5379.5,320.79
ISO_SPI_TOP_N: C73.1 R124.1 U2.41 | length 1599.2
  Top Layer w10: C73.1@5442.5,399.21 5442.5,390.35 5457.57,375.28 5481.42,375.28 5495,388.86 5495,403.5 5536,444.5 5547,433.5 5690,433.5 5758.25,365.25 ; 5758.25,365.46 6562.46,365.46 6683.84,486.84 6683.84,708.06 U2.41@6682.99,708.9
ISO_SPI_TOP_P: C72.1 R123.2 U2.42 | length 1625.8
  Top Layer w10: C72.1@5442.5,320.79 5442.5,329.65 5457.57,344.72 5481.14,344.72 5495,330.87 5495,316.5 5536,275.5 5547,286.5 5697.04,286.5 5758,347.46 5766,347.46 6569.91,347.46 6701.84,479.38 6701.84,708.06 U2.42@6702.68,708.9
NetC49_1: C49.1 R112.1 R114.2 | length 124.2
  Top Layer w20: R114.2@10240,612.92 10272,612.92 ; C49.1@10270.5,550.33 10272,551.83 10272,612.92 ; R112.1@10301,612.92 10272,612.92
NetC50_1: C50.1 R100.1 U2.1 | length 188.9
  Top Layer w10: U2.1@6820.79,988.43 6820.79,999.21 6820.01,999.99 6895.16,1000 6910.31,1015.16 6990.09,1015.16 R100.1@6990.58,1014.67
NetC51_1: C51.1 R101.1 U1.1 | length 187
  Top Layer w10: U1.1@3780.79,988.43 3780.79,999.17 3781.69,1000.08 3854.92,1000.08 3870,1015.16 3870.49,1014.67 R101.1@3950.27,1014.67
NetC52_1: C52.1 J2.10 R102.1 U2.33 | length 1199.4
  Top Layer w10: v1(6230,854.72) 6248.94,873.66 C52.1@6258.66,873.66 ; C52.1@6262.5,873.66 6441.5,873.66 6525.51,789.65 U2.33@6525.51,708.9
  Bottom Layer w10: J2.10@5511.26,831.26 5590.52,752 5967,752 v5(6010,795) 6135,795 R102.1@6185,845 ; R102.1@6195,845.5 6195.5,845 6205.22,854.72 v1(6230,854.72)
NetC53_1: C53.1 J1.10 R103.1 U1.33 | length 1216.3
  Top Layer w10: v1(3194,846) 3221.66,873.66 C53.1@3234,873.66 ; C53.1@3233,873.66 C53.1@3234,873.66 ; U1.33@3485.51,708.9 3485.51,789.65 3401.5,873.66 C53.1@3234,873.66
  Bottom Layer w10: J1.10@2471.26,831.26 2550.52,752 2930,752 2970,792 v5(2970,795) 2973,795 2983,805 3105,805 3144.34,844.34 R103.1@3145,845 ; R103.1@3145,843.68 3147.32,846 v1(3194,846)
NetC54_1: C54.1 J2.8 R104.1 U2.32 | length 1072.5
  Top Layer w10: v5(6138,848) 6138,842.24 6166.5,813.74 C54.1@6263.66,813.74 ; C54.1@6263.66,813.23 C54.1@6263.66,813.74 ; U2.32@6505.83,708.9 6505.83,767.36 6459.44,813.74 6305,813.74 C54.1@6263.66,813.74
  Bottom Layer w10: J2.8@5590,831.26 5648.74,772.52 5939.14,772.52 6006.62,840 6014.62,848 v5(6138,848) ; R104.1@6080,846 R104.1@6083.76,842.24
NetC55_1: C55.1 J1.8 R105.1 U1.32 | length 1063
  Top Layer w10: v5(3090,848) 3126.5,811.5 C55.1@3232,811.5 ; C55.1@3232,810.5 C55.1@3232,811.5 ; U1.32@3465.83,708.9 3465.83,765.11 3419.44,811.5 C55.1@3232,811.5
  Bottom Layer w10: J1.8@2550,831.26 2608.74,772.52 2899.14,772.52 2966.62,840 2974.62,848 v5(3090,848)
NetC56_1: C56.1 J2.6 R106.1 U2.29 | length 1248.4
  Top Layer w10: J2.6@5668.74,831.26 5668.74,790.02 6015.76,443 6435.44,443 6458.5,466.06 R106.1@6458.5,515 ; U2.29@6446.77,708.9 6446.77,590.43 6454.42,582.79 6454.42,574.91 C56.1@6451.5,572 ; C56.1@6452.5,572 C56.1@6451.5,572 ; R106.1@6471.5,515 R106.1@6458.5,515 ; C56.1@6451.5,572 6451.5,545.5 6458.5,538.5 R106.1@6458.5,515
  other v5: 5807,654.4
NetC57_1: C57.1 J1.6 R107.1 U1.29 | length 1240
  Top Layer w10: J1.6@2628.74,831.26 2628.74,791.15 2765.49,654.4 v5(2767,654.4) 2767,652.89 2985.32,434.57 3390.9,434.57 3409.41,453.08 R107.1@3409.41,520.09 ; C57.1@3406.77,568.76 U1.29@3406.77,708.9 ; C57.1@3409.41,568.76 R107.1@3409.41,520.09 ; R107.1@3414.5,515 R107.1@3409.41,520.09
NetC58_1: C58.1 J2.4 R108.1 U2.28 | length 1095.6
  Top Layer w10: J2.4@5747.48,831.26 5747.48,807.02 6076.5,478 6411.21,478 v1@6418.94,470.27 ; C58.1@6414.21,510.54 6418.94,505.82 v1@6418.94,470.27 ; C58.1@6418.67,515 6424.3,520.63 6424.3,624.3 6427.09,627.09 U2.28@6427.09,708.9 ; v1(6419.21,470) v1@6418.94,470.27
  Bottom Layer w10: v1(6419.21,470) 6419.21,451.39 R108.1@6420.5,450.11
  other v5: 5898.76,654.4
NetC59_1: C59.1 J1.4 R109.1 U1.28 | length 1107.8
  Top Layer w10: J1.4@2707.48,831.26 2707.48,806.04 3043.52,470 v1(3370,470) 3373.67,473.67 C59.1@3373.67,510.54 ; C59.1@3368.67,515 3373.67,515 3373.67,633.67 3387.09,647.09 U1.28@3387.09,708.9
  Bottom Layer w10: v1(3370,470) 3370,450.5 R109.1@3380.5,440
  other v5: 2858.76,654.4
NetC60_1: C60.1 J2.2 R110.1 U2.27 | length 868.9
  Top Layer w10: J2.2@5826.22,823.18 6094.4,555 6386.5,555 v1(6396.5,565) 6396.5,600 6396.5,627.16 6407.4,638.06 U2.27@6407.4,708.9
  Bottom Layer w10: R110.1@6396.5,530 v1(6396.5,565)
  other v5: 5993,654.4
NetC61_1: C61.1 J1.2 R111.1 U1.27 | length 874.3
  Top Layer w10: J1.2@2786.22,831.26 2786.22,823.18 3052.4,557 3341.08,557 v1(3347.72,563.64) 3347.72,567.28 3346.5,568.5 3346.5,634.58 3367.4,655.48 U1.27@3367.4,708.9
  Bottom Layer w10: v1(3347.72,563.64) 3347.72,538.78 R111.1@3356.5,530
  other v5: 2953,654.4
NetC62_1: C62.1 R102.2 R104.2 R106.2 R108.2 R110.2 U2.34 | length 983.1
  Top Layer w10: v1(6465,905.16) 6545.2,824.96 U2.34@6545.2,708.9 C62.1@6545.2,630.66 ; v1(6493.48,471) 6530,507.52 6525.51,512.01 R106.2@6528.5,515 ; R106.2@6530.5,515 R106.2@6528.5,515 ; C62.1@6538.14,630.66 6544,624.8 6544,530.5 R106.2@6528.5,515
  Bottom Layer w10: R104.2@6080,905 6194.5,905 R102.2@6195,904.5 ; R102.2@6195,905.16 v1(6465,905.16) ; R110.2@6455.5,530 6455.5,508.98 v1(6493.48,471) 6493.48,466.94 6479.5,452.97 R108.2@6479.5,450.11
NetC63_1: C63.1 R103.2 R105.2 R107.2 R109.2 R111.2 U1.34 | length 995.8
  Top Layer w10: v1(3425,905.16) 3505.2,824.96 U1.34@3505.2,708.9 3505.2,651.2 3504,650 3504,636.67 C63.1@3497.99,630.66 ; v1(3437,467) 3473.5,503.5 3473.5,515 3489,515 3502.68,528.68 C63.1@3502.68,630.66
  Bottom Layer w10: R105.2@3040,904.5 R103.2@3145,904.5 ; R103.2@3145,905.68 3145.52,905.16 v1(3425,905.16) ; R111.2@3415.5,530 3426.5,519 3426.5,481.29 3437,470.79 3437,442.5 R109.2@3439.5,440
NetC64_1: C64.1 U2.35 | length 88.1
  Top Layer w10: U2.35@6564.88,708.9 6564.88,665.12 6586,644 C64.1@6586,629.5
NetC65_1: C65.1 R119.2 R120.2 | length 116.5
  Top Layer w10: C65.1@4923.5,361 4989.48,361 ; R119.2@4989.48,335 4989.48,361 ; R120.2@4989.48,385.5 4989.48,361
NetC66_1: C66.1 U1.35 | length 86
  Top Layer w10: U1.35@3524.88,708.9 3524.88,652.12 3535.33,641.67 3543.83,641.67 C66.1@3548,637.5
NetC67_1: C67.1 JP1.1 Q25.2 U2.37 U2.40 | length 1256.4
  Top Layer w10: 6604.25,666.65 U2.37@6604.25,708.9 ; 6663.31,663.31 U2.40@6663.31,708.9 ; JP1.1@7305,923.89 JP1.1@7306.11,925
  Top Layer w12: 6604.25,666.65 6618.91,652 ; 6652,652 6663.31,663.31
  Top Layer w14: 6618.91,652 6645,652 ; v3(6645,630.5) 6645,652 ; 6652,652 6645,652
  Top Layer w20: JP1.1@7305,923.89 7317.11,923.89 v6(7400,841) 7402.65,838.35 Q25.2@7484.38,838.35
  Bottom Layer w20: v3(6645,630.5) 6667.5,608 7167,608 v6(7400,841)
NetC69_1: C69.1 D49.1 JP3.2 JP3.3 Q25.3 | length 627.3
  Top Layer w15: JP3.2@7687.66,1024.72 7738.36,974.02 7738.36,838.36 C69.1@7715.24,815.24
  Top Layer w20: Q25.3@7510,682.17 7570.55,742.72 D49.1@7682.03,742.72 ; JP3.3@7610.14,1039.57 7621.05,1028.66 JP3.2@7687.66,1028.66 ; JP3.2@7687.66,1024.72 JP3.2@7687.66,1028.66 ; D49.1@7688.88,749.57 7688.88,815.24 C69.1@7715.24,815.24 ; JP3.2@7688.88,1039.57 7687.66,1039.57 JP3.2@7687.66,1028.66
NetC70_1: C70.1 D50.1 JP4.2 JP4.3 Q26.3 | length 626.3
  Top Layer w10: Q26.3@4479.46,670.67 Q26.3@4540.6,731.81 ; D50.1@4639.67,731.81 D50.1@4646.52,738.66 ; C70.1@4646.52,817.17 C70.1@4674.5,817.17 ; JP4.2@4646.52,1012.59 JP4.2@4646.52,1028.66
  Top Layer w15: JP4.2@4646.52,1012.59 4702,957.11 4702,844.66 C70.1@4674.5,817.17
  Top Layer w20: Q26.3@4540.6,731.81 D50.1@4639.67,731.81 ; JP4.3@4567.78,1028.66 JP4.2@4646.52,1028.66 ; D50.1@4646.52,738.66 C70.1@4646.52,815.24 C70.1@4646.52,817.17
NetC71_1: C71.1 R123.1 R124.2 | length 113.8
  Top Layer w10: R123.1@5536,334.5 5536,360 ; R124.2@5536,385.5 5536,360 ; C71.1@5598.84,360 5536,360
NetC74_1: C74.1 R115.2 R125.1 | length 116.6
  Top Layer w10: R115.2@2432.01,331 2432.01,357.5 ; R125.1@2432.01,384 2432.01,357.5 ; C74.1@2494.17,361 2490.67,357.5 2432.01,357.5
NetC75_1: C75.1 T2.15 | length 87
  Top Layer w30: C75.1@10271,768.42 T2.15@10271,855.4
NetC76_1: C76.1 T1.15 | length 87
  Top Layer w30: T1.15@1836.52,965 C76.1@1923.5,965
NetC102_1: C102.1 T2.2 | length 93
  Top Layer w30: T2.2@10271,1190.44 C102.1@10271,1283.42
NetC103_1: C103.1 T1.2 | length 93
  Top Layer w30: C103.1@1408.5,965 T1.2@1501.48,965
NetD25_2: D25.2 R75.1 | length 51.1
  Top Layer w20: R75.1@7925,1668.16 D25.2@7925,1719.29
NetD26_2: D26.2 R74.1 | length 51.1
  Top Layer w20: R74.1@7675,1668.16 D26.2@7675,1719.29
NetD27_2: D27.2 R73.1 | length 51.1
  Top Layer w20: R73.1@7425,1668.16 D27.2@7425,1719.29
NetD28_2: D28.2 R72.1 | length 51.1
  Top Layer w20: R72.1@7175,1668.16 D28.2@7175,1719.29
NetD29_2: D29.2 R71.1 | length 51.1
  Top Layer w20: R71.1@6925,1668.16 D29.2@6925,1719.29
NetD30_2: D30.2 R70.1 | length 51.1
  Top Layer w20: R70.1@6675,1668.16 D30.2@6675,1719.29
NetD31_2: D31.2 R69.1 | length 51.2
  Top Layer w20: D31.2@6424.84,1719.29 6424.92,1719.21 6424.92,1668.24 R69.1@6425,1668.16
NetD32_2: D32.2 R68.1 | length 51.1
  Top Layer w20: R68.1@6175,1668.16 D32.2@6175,1719.29
NetD33_2: D33.2 R67.1 | length 51.1
  Top Layer w20: R67.1@5925,1668.16 D33.2@5925,1719.29
NetD34_2: D34.2 R66.1 | length 51.1
  Top Layer w20: R66.1@5675,1668.16 D34.2@5675,1719.29
NetD35_2: D35.2 R65.1 | length 51.1
  Top Layer w20: R65.1@5425,1668.16 D35.2@5425,1719.29
NetD36_2: D36.2 R64.1 | length 51.1
  Top Layer w20: R64.1@5175,1668.16 D36.2@5175,1719.29
NetD37_2: D37.2 R62.1 | length 51.1
  Top Layer w20: R62.1@4925,1668.16 D37.2@4925,1719.29
NetD38_2: D38.2 R61.1 | length 51.1
  Top Layer w20: R61.1@4675,1668.16 D38.2@4675,1719.29
NetD39_2: D39.2 R60.1 | length 51.1
  Top Layer w20: R60.1@4425,1668.16 D39.2@4425,1719.29
NetD40_2: D40.2 R59.1 | length 51.1
  Top Layer w20: R59.1@4175,1668.16 D40.2@4175,1719.29
NetD41_2: D41.2 R58.1 | length 51.1
  Top Layer w20: R58.1@3925,1668.16 D41.2@3925,1719.29
NetD42_2: D42.2 R57.1 | length 51.1
  Top Layer w20: R57.1@3675,1668.16 D42.2@3675,1719.29
NetD43_2: D43.2 R56.1 | length 51.1
  Top Layer w20: R56.1@3425,1668.16 D43.2@3425,1719.29
NetD44_2: D44.2 R55.1 | length 51.1
  Top Layer w20: R55.1@3175,1668.16 D44.2@3175,1719.29
NetD45_2: D45.2 R54.1 | length 51.1
  Top Layer w20: R54.1@2925,1668.16 D45.2@2925,1719.29
NetD46_2: D46.2 R53.1 | length 51.1
  Top Layer w20: R53.1@2675,1668.16 D46.2@2675,1719.29
NetD47_2: D47.2 R52.1 | length 50.5
  Top Layer w20: R52.1@2425,1668.16 R52.1@2425.08,1668.24 ; D47.2@2425.08,1718.5 D47.2@2425.16,1718.58 ; R52.1@2425.31,1668.48 D47.2@2425.31,1718.74
NetD48_2: D48.2 R51.1 | length 44.2
  Top Layer w20: R51.1@2175,1675.08 D48.2@2175,1719.29
NetD49_2: D49.2 JP3.1 R121.1 | length 338
  Top Layer w15: D49.2@7767.62,754.16 JP3.1@7767.62,1028.66
  Top Layer w20: D49.2@7767.62,754.16 R121.1@7831.14,754.16
NetD50_2: D50.2 JP4.1 R122.1 | length 361.2
  Top Layer w10: D50.2@4725.26,738.66 D50.2@4737.98,751.38 ; R122.1@4787.22,751.38 R122.1@4790,754.16
  Top Layer w15: D50.2@4725.26,738.66 JP4.1@4725.26,1028.66
  Top Layer w20: D50.2@4737.98,751.38 R122.1@4787.22,751.38
NetJ3_1: J3.1 T1.1 | length 403.6
  Top Layer w30: J3.1@1107,993 1248,993 1270,1015 T1.1@1501.48,1015
NetJ3_2: J3.2 T1.3 | length 306.1
  Top Layer w30: J3.2@1207,943 1247,943 1275,915 T1.3@1501.48,915
NetJ4_1: J4.1 T2.1 | length 404.8
  Top Layer w30: J4.1@10296,1584.92 10296.7,1584.21 10296.7,1446.21 10321,1421.92 T2.1@10321,1190.44
NetJ4_2: J4.2 T2.3 | length 304.8
  Top Layer w30: T2.3@10221,1190.44 10221,1422.92 10246,1447.92 J4.2@10246,1484.92
NetJP1_2: JP1.2 U2.36 | length 805.8
  Top Layer w10: U2.36@6584.57,708.9 6584.57,810.27 6644.33,870.04 7196.4,870.04 7227.37,901 JP1.2@7227.37,925
NetJP2_2: JP2.2 U1.36 | length 805.8
  Top Layer w10: U1.36@3544.57,708.9 3544.57,810.27 3610.3,876 4162.37,876 4187.37,901 JP2.2@4187.37,925
NetQ1_1: Q1.1 R2.2 | length 60.2
  Top Layer w20: R2.2@2137.6,1378.16 Q1.1@2137.6,1438.39
NetQ1_3: Q1.3 R51.2 R76.1 | length 80.2
  Top Layer w20: Q1.3@2175,1528.94 R51.2@2175,1609.16
  other v2: 2130.91,1577.6
NetQ2_1: Q2.1 R4.2 | length 60.2
  Top Layer w20: R4.2@2387.83,1378.4 Q2.1@2387.83,1438.62
NetQ2_3: Q2.3 R52.2 R77.1 | length 80.2
  Top Layer w20: Q2.3@2425.24,1529.17 R52.2@2425.24,1609.4
  other v2: 2381.14,1577.83
NetQ3_1: Q3.1 R6.2 | length 60.2
  Top Layer w20: R6.2@2637.6,1378.16 Q3.1@2637.6,1438.39
NetQ3_3: Q3.3 R53.2 R78.1
  other v2: 2630.91,1577.6
NetQ4_1: Q4.1 R8.2 | length 60.2
  Top Layer w20: R8.2@2887.6,1378.16 Q4.1@2887.6,1438.39
NetQ4_3: Q4.3 R54.2 R79.1
  other v2: 2880.91,1577.6
NetQ5_1: Q5.1 R10.2 | length 60.2
  Top Layer w20: R10.2@3137.6,1378.16 Q5.1@3137.6,1438.39
NetQ5_3: Q5.3 R55.2 R80.1
  other v2: 3130.91,1577.6
NetQ6_1: Q6.1 R12.2 | length 60.2
  Top Layer w20: R12.2@3387.6,1378.16 Q6.1@3387.6,1438.39
NetQ6_3: Q6.3 R56.2 R81.1
  other v2: 3380.91,1577.6
NetQ7_1: Q7.1 R14.2 | length 65.2
  Top Layer w20: R14.2@3637.6,1373.16 Q7.1@3637.6,1438.39
NetQ7_3: Q7.3 R57.2 R82.1
  other v2: 3630.91,1577.6
NetQ8_1: Q8.1 R16.2 | length 65.2
  Top Layer w20: R16.2@3887.6,1373.16 Q8.1@3887.6,1438.39
NetQ8_3: Q8.3 R58.2 R83.1
  other v2: 3880.91,1577.6
NetQ9_1: Q9.1 R18.2 | length 65.2
  Top Layer w20: R18.2@4137.6,1373.16 Q9.1@4137.6,1438.39
NetQ9_3: Q9.3 R59.2 R84.1
  other v2: 4130.91,1577.6
NetQ10_1: Q10.1 R20.2 | length 65.2
  Top Layer w20: R20.2@4387.6,1373.16 Q10.1@4387.6,1438.39
NetQ10_3: Q10.3 R60.2 R85.1
  other v2: 4380,1578.66
NetQ11_1: Q11.1 R22.2 | length 65.2
  Top Layer w20: R22.2@4637.6,1373.16 Q11.1@4637.6,1438.39
NetQ11_3: Q11.3 R61.2 R86.1
  other v2: 4630.91,1577.6
NetQ12_1: Q12.1 R24.2 | length 65.2
  Top Layer w20: R24.2@4887.6,1373.16 Q12.1@4887.6,1438.39
NetQ12_3: Q12.3 R62.2 R87.1
  other v2: 4880.91,1577.6
NetQ13_1: Q13.1 R26.2 | length 65.2
  Top Layer w20: R26.2@5137.6,1373.16 Q13.1@5137.6,1438.39
NetQ13_3: Q13.3 R64.2 R88.1
  other v2: 5130.91,1580.1
NetQ14_1: Q14.1 R28.2 | length 65.2
  Top Layer w20: R28.2@5387.6,1373.16 Q14.1@5387.6,1438.39
NetQ14_3: Q14.3 R65.2 R89.1
  other v2: 5380.91,1580.1
NetQ15_1: Q15.1 R30.2 | length 65.2
  Top Layer w20: R30.2@5637.6,1373.16 Q15.1@5637.6,1438.39
NetQ15_3: Q15.3 R66.2 R90.1
  other v2: 5630.91,1580.1
NetQ16_1: Q16.1 R32.2 | length 65.2
  Top Layer w20: R32.2@5887.6,1373.16 Q16.1@5887.6,1438.39
NetQ16_3: Q16.3 R67.2 R91.1
  other v2: 5880.91,1580.1
NetQ17_1: Q17.1 R34.2 | length 65.2
  Top Layer w20: R34.2@6127.6,1373.16 Q17.1@6127.6,1438.39
NetQ17_3: Q17.3 R68.2 R92.1
  other v2: 6140.91,1580.1
NetQ18_1: Q18.1 R36.2 | length 65.2
  Top Layer w20: R36.2@6387.6,1373.16 Q18.1@6387.6,1438.39
NetQ18_3: Q18.3 R69.2 R93.1
  other v2: 6380.91,1580.1
NetQ19_1: Q19.1 R38.2 | length 65.2
  Top Layer w20: R38.2@6637.6,1373.16 Q19.1@6637.6,1438.39
NetQ19_3: Q19.3 R70.2 R94.1
  other v2: 6625,1578.66
NetQ20_1: Q20.1 R40.2 | length 65.2
  Top Layer w20: R40.2@6887.6,1373.16 Q20.1@6887.6,1438.39
NetQ20_3: Q20.3 R71.2 R95.1
  other v2: 6880.91,1580.1
NetQ21_1: Q21.1 R42.2 | length 65.2
  Top Layer w20: R42.2@7137.6,1373.16 Q21.1@7137.6,1438.39
NetQ21_3: Q21.3 R72.2 R96.1
  other v2: 7130.91,1580.1
NetQ22_1: Q22.1 R44.2 | length 65.2
  Top Layer w20: R44.2@7387.6,1373.16 Q22.1@7387.6,1438.39
NetQ22_3: Q22.3 R73.2 R97.1
  other v2: 7380.91,1580.1
NetQ23_1: Q23.1 R46.2 | length 65.2
  Top Layer w20: R46.2@7637.6,1373.16 Q23.1@7637.6,1438.39
NetQ23_3: Q23.3 R74.2 R98.1
  other v2: 7630.91,1580.1
NetQ24_1: Q24.1 R48.2 | length 65.2
  Top Layer w20: R48.2@7887.6,1373.16 Q24.1@7887.6,1438.39
NetQ24_3: Q24.3 R75.2 R99.1
  other v2: 7880.91,1580.1
NetQ25_1: Q25.1 U2.38 | length 1132
  Top Layer w10: U2.38@6623.94,708.9 6623.94,749.13 6684.8,810 v1(7261.29,810)
  Top Layer w20: Q25.1@7556.82,838.35 v5(7556.82,924.57)
  Bottom Layer w20: v1(7261.29,810) 7288.62,810 7403.19,924.57 v5(7556.82,924.57)
NetQ26_1: Q26.1 U1.38 | length 1153.4
  Top Layer w10: U1.38@3583.47,708.43 U1.38@3583.94,708.9 3583.94,774.22 3659.72,850 4234,850 v1(4249,835) ; Q26.1@4514.46,828.66 Q26.1@4515.68,827.44
  Top Layer w20: Q26.1@4514.46,828.66 v5(4514.46,913.66)
  Bottom Layer w20: v1(4249,835) 4268.54,835 4347.2,913.66 v5(4514.46,913.66)
NetR112_2: R112.2 T2.16 U2.47 | length 4384.7
  Top Layer w10: U2.47@6801.1,708.9 6801.1,663.31 6810.41,654 6908.5,654 6935,627.5 6935,512.46 7189.95,257.5 10237.5,257.5 10281,301 10281,396 10350.5,465.5 10350.5,600.42 R112.2@10363,612.92
  Top Layer w30: T2.16@10321,855.4 10321,697.92 10363,655.92 R112.2@10363,612.92
NetR113_1: R113.1 U2.45 | length 106.9
  Top Layer w10: R113.1@6742.5,610 6761.73,629.23 U2.45@6761.73,708.9
NetR113_2: R113.2 R117.1 U2.46 | length 171.2
  Top Layer w10: U2.46@6781.42,708.9 6781.42,630.08 R113.2@6801.5,610 ; R117.1@6803,546 R113.2@6803,610
NetR114_1: R114.1 T2.14 U2.48 | length 4324.5
  Top Layer w10: U2.48@6820.79,708.9 6820.79,679.37 6821.69,678.46 6910.54,678.46 6953.97,635.03 6953.97,518.03 7198.5,273.5 10230.5,273.5 10263,306 10263,394.92 10190,467.92 10190,600.92 R114.1@10178,612.92
  Top Layer w30: R114.1@10178,612.92 10178,655.71 10221,697.92 T2.14@10221,855.4